# Altium PCB CRD25DA12N-FMC V1.1 (07-2023).PcbDoc (part 1 of 7) (continued)
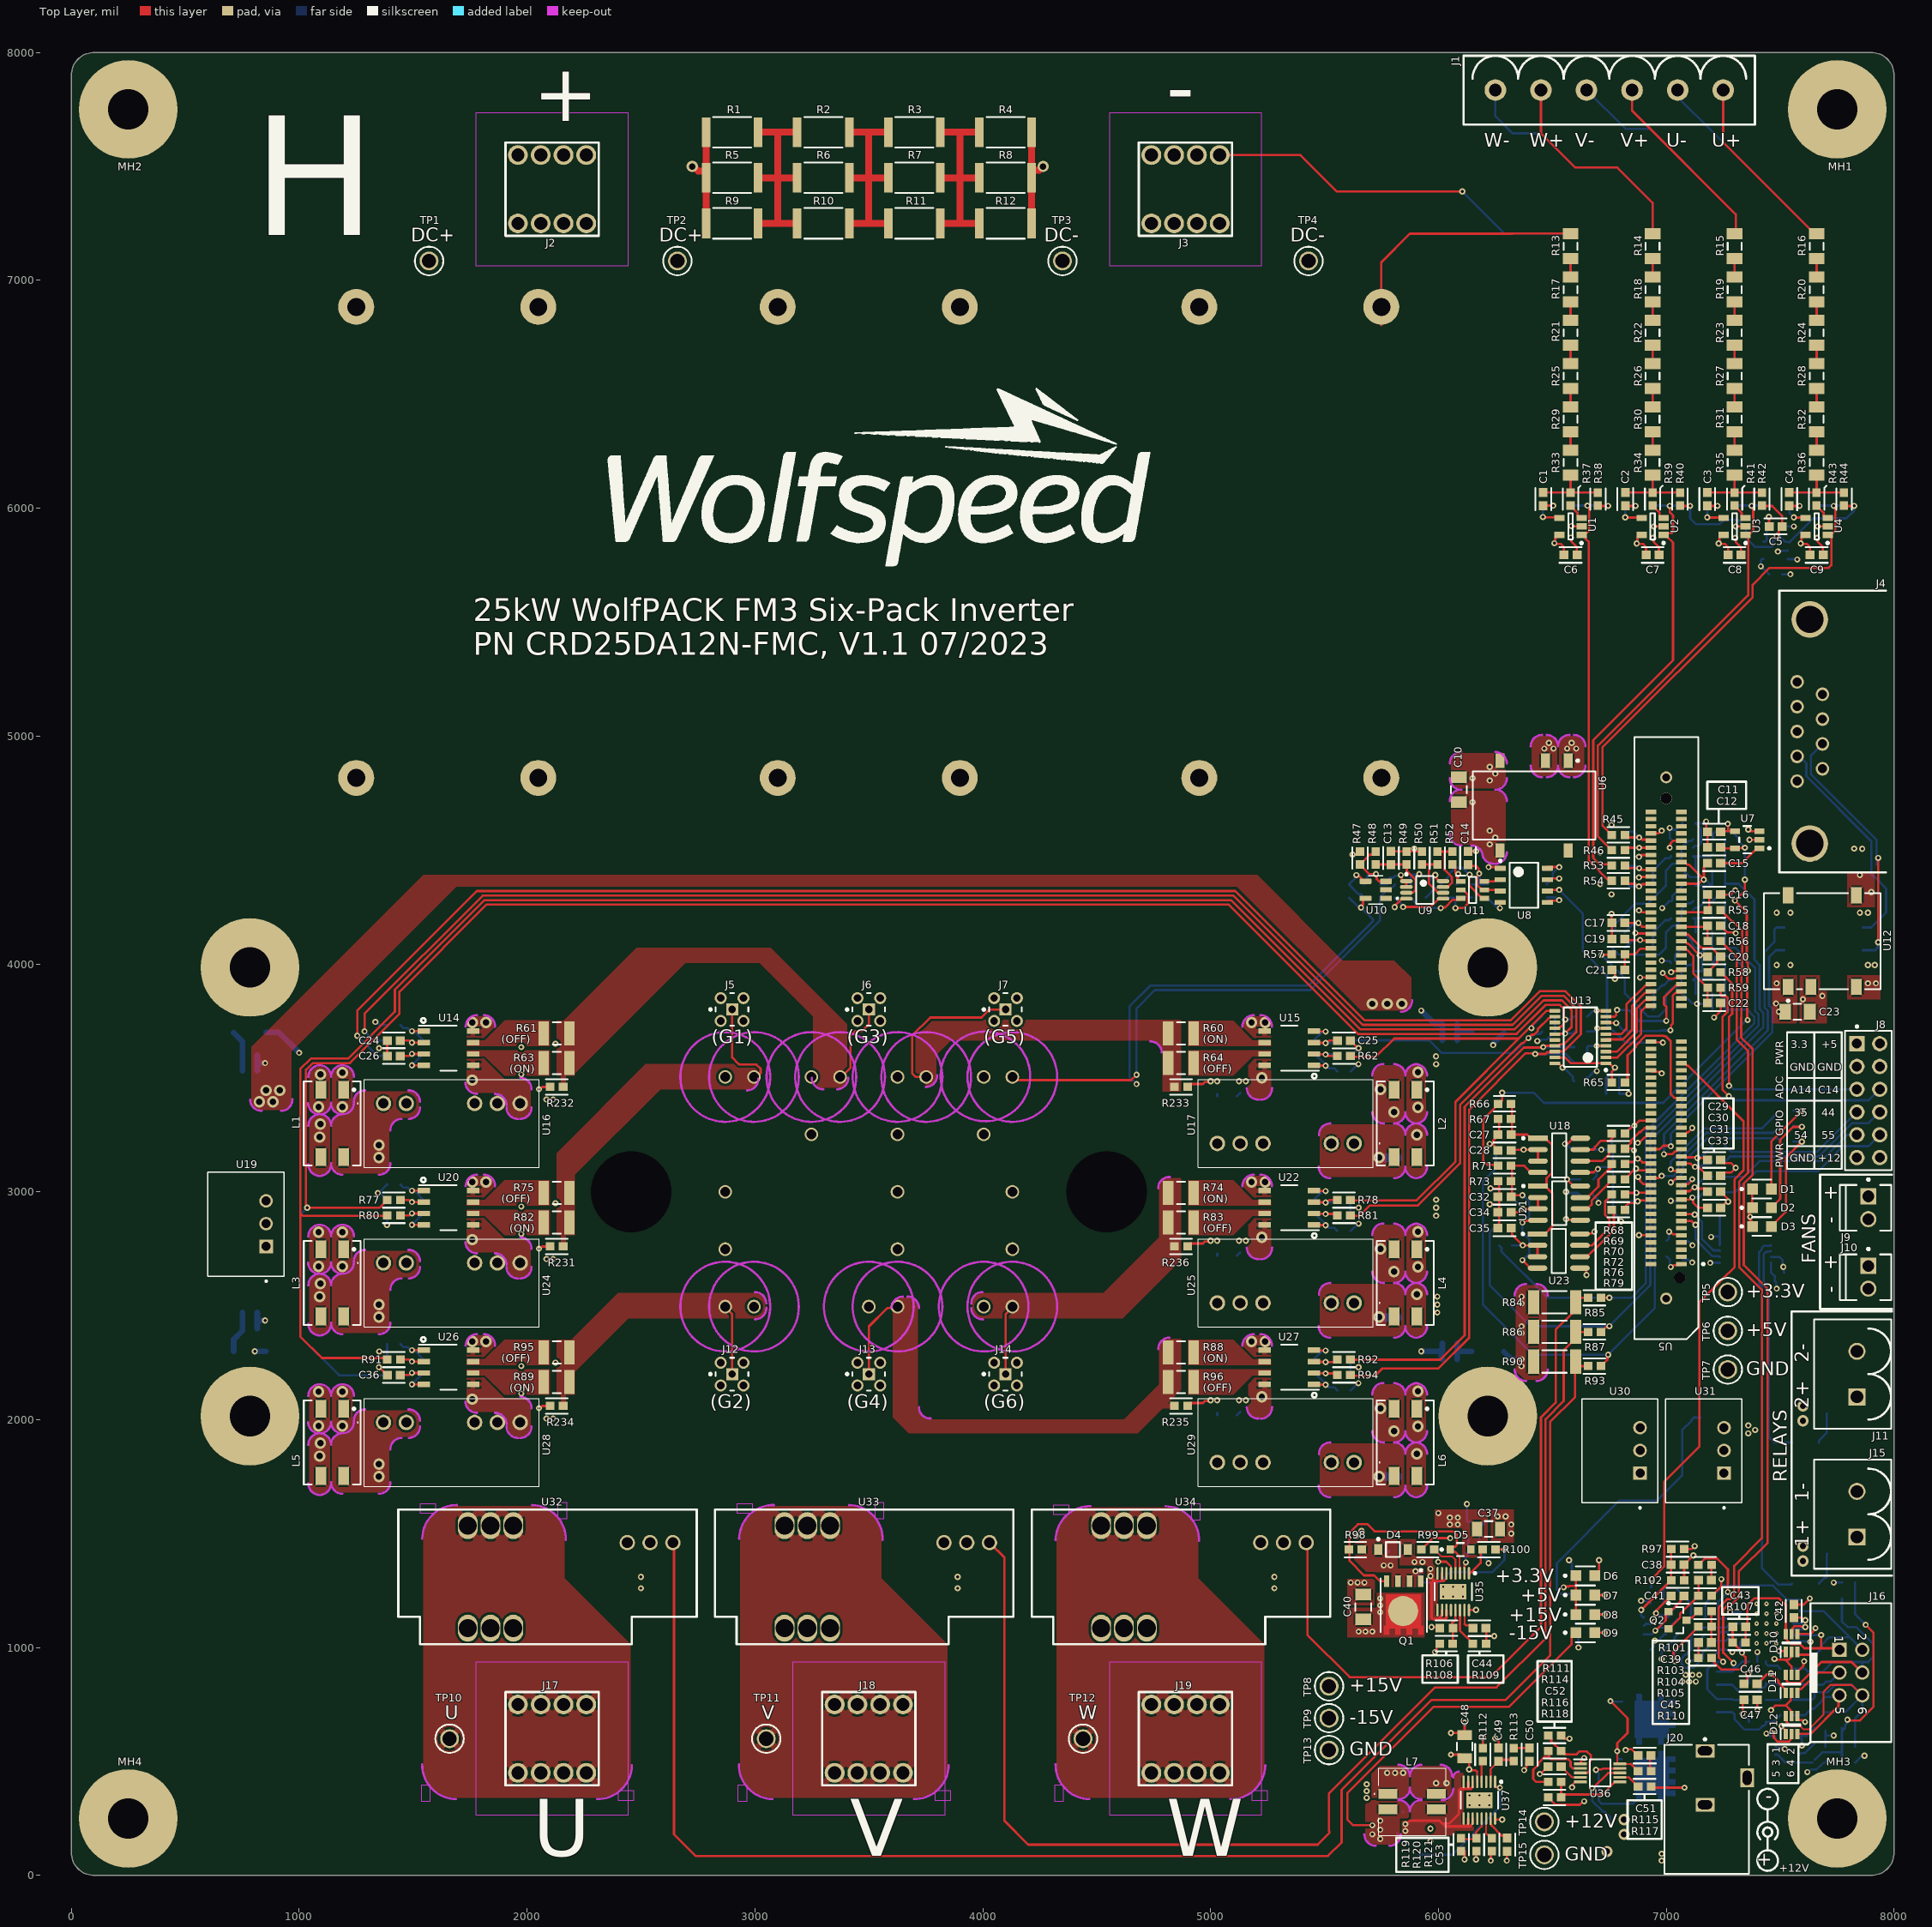
[diagram p0: Top Layer view]
## Components (designator, comment, footprint, x,y, rotation, side; value= is the part's Value field where it differs from the comment) (continued)
C112 "CL31B106KAHSFNE" FP-CL31-IPC_B 740,2960 r270 bottom value=10μF
C113 "CL10C560JB8NNNC" FP-C0603C-CF-IPC_B 6790,2985 r180 bottom value=56pF
C114 "C0603C104K3RACTU" FP-C0603C-CF-IPC_B 6650,2985 r180 bottom value=0.10μF
C115 "CL10C560JB8NNNC" FP-C0603C-CF-IPC_B 1415,2964 r180 bottom value=56pF
C116 "CL10C560JB8NNNC" FP-C0603C-CF-IPC_B 5585,2964 r0 bottom value=56pF
C117 "GRT188R61H225ME13D" FP-C0603C-CF-IPC_B 5455,2937 r90 bottom value=2.2μF
C118 "GRT188R61H225ME13D" FP-C0603C-CF-IPC_B 1545,2935 r270 bottom value=2.2μF
C119 "CL10C560JB8NNNC" FP-C0603C-CF-IPC_B 6790,2915 r180 bottom value=56pF
C120 "CL10C560JB8NNNC" FP-C0603C-CF-IPC_B 1415,2896 r180 bottom value=56pF
C121 "CL10C560JB8NNNC" FP-C0603C-CF-IPC_B 5585,2896 r0 bottom value=56pF
C122 "CL31B106KAHSFNE" FP-CL31-IPC_B 2070,2895 r180 bottom value=10μF
C123 "CL31B106KAHSFNE" FP-CL31-IPC_B 1875,2895 r180 bottom value=10μF
C124 "GRT188R61H225ME13D" FP-C0603C-CF-IPC_B 5585,2828 r0 bottom value=2.2μF
C125 "CL31B106KAHSFNE" FP-CL31-IPC_B 740,2760 r90 bottom value=10μF
C126 "C0603C104K3RACTU" FP-C0603C-CF-IPC_B 7030,2785 r0 bottom value=0.10μF
C127 "CL31B106KAHSFNE" FP-CL31-IPC_B 2070,2795 r180 bottom value=10μF
C128 "CL31B106KAHSFNE" FP-CL31-IPC_B 1875,2795 r180 bottom value=10μF
C129 "C0603C104K3RACTU" FP-C0603C-CF-IPC_B 7030,2716 r0 bottom value=0.10μF
C130 "CL31B106KAHSFNE" FP-CL31-IPC_B 5170,2720 r0 bottom value=10μF
C131 "CL31B106KAHSFNE" FP-CL31-IPC_B 4980,2720 r0 bottom value=10μF
C132 "GRT188R61H225ME13D" FP-C0603C-CF-IPC_B 7490,2625 r0 bottom value=2.2μF
C133 "CL31B106KAHSFNE" FP-CL31-IPC_B 5170,2620 r0 bottom value=10μF
C134 "CL31B106KAHSFNE" FP-CL31-IPC_B 4980,2620 r0 bottom value=10μF
C135 "CL31B106KAHSFNE" FP-CL31-IPC_B 5880,2452.8 r180 bottom value=10μF
C136 "CL31B106KAHSFNE" FP-CL31-IPC_B 1220,2455 r180 bottom value=10μF
C137 "GRT188R61H225ME13D" FP-C0603C-CF-IPC_B 1415,2332 r180 bottom value=2.2μF
C138 "CL10C560JB8NNNC" FP-C0603C-CF-IPC_B 1415,2264 r180 bottom value=56pF
C139 "CL10C560JB8NNNC" FP-C0603C-CF-IPC_B 5585,2264 r0 bottom value=56pF
C140 "GRT188R61H225ME13D" FP-C0603C-CF-IPC_B 5455,2237 r90 bottom value=2.2μF
C141 "GRT188R61H225ME13D" FP-C0603C-CF-IPC_B 1545,2235 r270 bottom value=2.2μF
C142 "CL10C560JB8NNNC" FP-C0603C-CF-IPC_B 5585,2196 r0 bottom value=56pF
C143 "CL31B106KAHSFNE" FP-CL31-IPC_B 2070,2195 r180 bottom value=10μF
C144 "CL31B106KAHSFNE" FP-CL31-IPC_B 1875,2195 r180 bottom value=10μF
C145 "GRT188R61H225ME13D" FP-C0603C-CF-IPC_B 5585,2128 r0 bottom value=2.2μF
C146 "CL31B106KAHSFNE" FP-CL31-IPC_B 2070,2095 r180 bottom value=10μF
C147 "CL31B106KAHSFNE" FP-CL31-IPC_B 1875,2095 r180 bottom value=10μF
C148 "CL31B106KAHSFNE" FP-CL31-IPC_B 7140,1965 r270 bottom value=10μF
C149 "CL31B106KAHSFNE" FP-CL31-IPC_B 6770,1965 r270 bottom value=10μF
C150 "CL31B106KAHSFNE" FP-CL31-IPC_B 5170,2020 r0 bottom value=10μF
C151 "CL31B106KAHSFNE" FP-CL31-IPC_B 4980,2020 r0 bottom value=10μF
C152 "CL31B106KAHSFNE" FP-CL31-IPC_B 5170,1920 r0 bottom value=10μF
C153 "CL31B106KAHSFNE" FP-CL31-IPC_B 4980,1920 r0 bottom value=10μF
C154 "CL31B106KAHSFNE" FP-CL31-IPC_B 7140,1765 r90 bottom value=10μF
C155 "CL31B106KAHSFNE" FP-CL31-IPC_B 6770,1765 r90 bottom value=10μF
C156 "CL31B106KAHSFNE" FP-CL31-IPC_B 5880,1752.8 r180 bottom value=10μF
C157 "CL31B106KAHSFNE" FP-CL31-IPC_B 1220,1755 r180 bottom value=10μF
C158 "C0603C102K5RACAUTO" FP-C0603C-CF-IPC_B 6160,1543 r180 bottom value=1nF
C159 "CL31B475KBHNFNE" FP-CL31-IPC_C 5730,1425 r180 bottom value=4.7μF
C160 "CL10C560JB8NNNC" FP-C0603C-CF-IPC_B 6160,1407 r0 bottom value=56pF
C161 "CL31B475KBHNFNE" FP-CL31-IPC_C 5340,1335 r270 bottom value=4.7μF
C162 "CL31B475KBHNFNE" FP-CL31-IPC_C 5220,1335 r90 bottom value=4.7μF
C163 "CL31B475KBHNFNE" FP-CL31-IPC_C 3950,1335 r270 bottom value=4.7μF
C164 "CL31B475KBHNFNE" FP-CL31-IPC_C 3830,1335 r90 bottom value=4.7μF
C165 "CL31B475KBHNFNE" FP-CL31-IPC_C 2560,1335 r270 bottom value=4.7μF
C166 "CL31B475KBHNFNE" FP-CL31-IPC_C 2440,1335 r90 bottom value=4.7μF
C167 "C0603C104K3RACTU" FP-C0603C-CF-IPC_B 7800,1285 r180 bottom value=0.10μF
C168 "C0603C331JAGAC7867" FP-C0603C-CF-IPC_B 7800,1215 r180 bottom value=330pF
C169 "C0603C472K3RAC7867" FP-C0603C-CF-IPC_B 6960,1194 r180 bottom value=4.7nF
C170 "06035A180JAT2A" FP-C0603C-CF-IPC_B 7200,1126 r180 bottom value=18pF
C171 "C0603C104K3RACTU" FP-C0603C-CF-IPC_B 7200,990 r0 bottom value=0.10μF
C172 "C0603C104K3RACTU" FP-C0603C-CF-IPC_B 6960,990 r0 bottom value=0.10μF
C173 "C0603C470J1GACTU" FP-C0603C-CF-IPC_B 7620,865 r90 bottom value=47pF
C174 "C0603C331JAGAC7867" FP-C0603C-CF-IPC_B 7290,865 r90 bottom value=330pF
C175 "C0603C470J1GACTU" FP-C0603C-CF-IPC_B 7620,745 r90 bottom value=47pF
C176 "C0603C331JAGAC7867" FP-C0603C-CF-IPC_B 7290,745 r90 bottom value=330pF
C177 "C0603C104K3RACTU" FP-C0603C-CF-IPC_B 7680,647 r0 bottom value=0.10μF
C178 "C0603C331JAGAC7867" FP-C0603C-CF-IPC_B 7800,578 r0 bottom value=330pF
C179 "C0603C104K3RACTU" FP-C0603C-CF-IPC_B 7680,578 r0 bottom value=0.10μF
C180 "C0603C104K3RACTU" FP-C0603C-CF-IPC_B 7800,508 r0 bottom value=0.10μF
C181 "C0603C104K3RACTU" FP-C0603C-CF-IPC_B 7680,508 r0 bottom value=0.10μF
C182 "CL21B105KBFNNNE" FP-CL21-IPC_A 5880,285 r180 bottom value=1μF
C183 "CL31B106KAHSFNE" FP-CL31-IPC_B 5855,175 r0 bottom value=10μF
C184 "CL31B106KAHSFNE" FP-CL31-IPC_B 6875,80 r0 bottom value=10μF
D1 "CMD17-21VRD/TR8" FP-LTST-C171GKT-MFG-RED 7420,3012 r0 top value=RED
D2 "LTST-C171KSKT" FP-LTST-C171GKT-MFG-YELLOW 7420,2930 r0 top value=YELLOW
D3 "LTST-C171GKT" FP-LTST-C171GKT-MFG 7420,2848 r0 top value=GREEN
D4 "SMD26PL-TP" ONSC-SOD-123FL-2-498-01_V 5800.63,1430 r0 top value=N/A
D5 "CUS520,H3F" FP-USC-MFG 6097,1430 r0 top value=N/A
D6 "LTST-C171GKT" FP-LTST-C171GKT-MFG 6645,1315 r0 top value=GREEN
D7 "LTST-C171GKT" FP-LTST-C171GKT-MFG 6645,1230 r0 top value=GREEN
D8 "LTST-C171GKT" FP-LTST-C171GKT-MFG 6645,1145 r0 top value=GREEN
D9 "LTST-C171GKT" FP-LTST-C171GKT-MFG 6645,1065 r0 top value=GREEN
D10 "BAS40DW-04-TP" SOT65P222X120-6N 7550,1020 r90 top value=N/A
D11 "BAS40DW-04-TP" SOT65P222X120-6N 7550,840 r90 top value=N/A
D12 "BAS40DW-04-TP" SOT65P222X120-6N 7550,660 r90 top value=N/A
D13 "APTR3216-VFX" FP-APTR3216SECK-MFG 6216.53,3700 r180 bottom value=PURPLE
D14 "APTR3216-VFX" FP-APTR3216SECK-MFG 783.47,3700 r180 bottom value=PURPLE
D15 "APTR3216-VFX" FP-APTR3216SECK-MFG 6216.53,2300 r180 bottom value=PURPLE
D16 "APTR3216-VFX" FP-APTR3216SECK-MFG 783.47,2300 r180 bottom value=PURPLE
D17 "SMD26PL-TP" ONSC-SOD-123FL-2-498-01_V 7935,2190 r90 bottom value=N/A
D18 "SMD26PL-TP" ONSC-SOD-123FL-2-498-01_V 7935,1575 r90 bottom value=N/A
D19 "SMD26PL-TP" ONSC-SOD-123FL-2-498-01_V 5865,385 r0 bottom value=N/A
HS1 "LA 6 150 12" "LA 6 150 12" 3500,3000 r180 bottom locked value=N/A
J1 "1755778" 1755778 6750,7835 r180 top value=N/A
J2 "7460307" 7460307 2110,7400 r0 top value=N/A
J3 "7460307" 7460307 4890,7400 r0 top value=N/A
J4 "L717SDE09PA4CH4RC309" L717SDE09PA4CH4RC309 7630,5020 r90 top value=N/A
J5 "0734151471" FP-73415-1471-MFG 2900,3800 r0 top value=N/A
J6 "0734151471" FP-73415-1471-MFG 3500,3800 r0 top value=N/A
J7 "0734151471" FP-73415-1471-MFG 4100,3800 r0 top value=N/A
J8 "61301221121" FP-61301221121-MFG 7887,3400 r270 top value=N/A
J9 "640456-2" TECO-640456-2_V 7887,2930 r90 top value=N/A
J10 "640456-2" TECO-640456-2_V 7887,2625 r90 top value=N/A
J11 "1755736" 1755736 7837,2200 r90 top value=N/A
J12 "0734151471" FP-73415-1471-MFG 2900,2200 r0 top value=N/A
J13 "0734151471" FP-73415-1471-MFG 3500,2200 r0 top value=N/A
J14 "0734151471" FP-73415-1471-MFG 4100,2200 r0 top value=N/A
J15 "1755736" 1755736 7837,1585 r90 top value=N/A
J16 "61200621621" 61200621621 7810,890 r270 top value=N/A
J17 "7460307" 7460307 2110,600 r0 top value=N/A
J18 "7460307" 7460307 3500,600 r0 top value=N/A
J19 "7460307" 7460307 4890,600 r0 top value=N/A
J20 "PJ-102AH" CUI-PJ-102B_V 7170,428.11 r270 top value=N/A
L1 "744226S" WE-SL2 1145,3300 r270 top value=10μH
L2 "744226S" WE-SL2 5855,3300 r270 top value=10μH
L3 "744226S" WE-SL2 1145,2600 r270 top value=10μH
L4 "744226S" WE-SL2 5855,2600 r270 top value=10μH
L5 "744226S" WE-SL2 1145,1900 r270 top value=10μH
L6 "744226S" WE-SL2 5855,1900 r270 top value=10μH
L7 "MSD7342-682MLC" MSD7342682MLC 5885,323.46 r90 top value=6.8μH
L8 "NRS5040T3R3NMGJ" FP-NR5040-H_4_1-MFG 5930,1490 r180 bottom value=3.3μH
MH1 "MH_M4_P" MH_M4_P 7750,7750 r180 bottom locked value=N/A
MH2 "MH_M4_P" MH_M4_P 250,7750 r180 bottom value=N/A
MH3 "MH_M4_P" MH_M4_P 7750,250 r180 bottom locked value=N/A
MH4 "MH_M4_P" MH_M4_P 250,250 r180 bottom value=N/A
Q1 "SI7461DP-T1-E3" FP-S17-0173-SINGLE-MFG 5847.72,1185.58 r270 top value=N/A
Q2 "BC817-16LT3G" ONSC-SOT-23-3-318-08_V 7050,1120 r0 top value=N/A
Q3 "CCB021M12FM3" FM3_SIX-PACK_3PHASE_CRW 3500,3000 r0 bottom value=N/A
Q4 "MJD44H11T4G" ONSC-DPAK-3-369C-01_V 7615,2199.76 r90 bottom value=N/A
Q5 "MJD44H11T4G" ONSC-DPAK-3-369C-01_V 7615,1585 r90 bottom value=N/A
Q6 "DMT12H007LPS-13" FP-PowerDI5060-8-MFG 6910,685 r90 bottom value=N/A
Q7 "DMT12H007LPS-13" FP-PowerDI5060-8-MFG 6910,435 r90 bottom value=N/A
R1 "CRGP2512F220K" FP-CRGP2512-IPC_C 2900,7650 r180 top value=220kΩ
R2 "CRGP2512F220K" FP-CRGP2512-IPC_C 3300,7650 r180 top value=220kΩ
R3 "CRGP2512F220K" FP-CRGP2512-IPC_C 3700,7650 r180 top value=220kΩ
R4 "CRGP2512F220K" FP-CRGP2512-IPC_C 4100,7650 r180 top value=220kΩ
R5 "CRGP2512F220K" FP-CRGP2512-IPC_C 2900,7450 r180 top value=220kΩ
R6 "CRGP2512F220K" FP-CRGP2512-IPC_C 3300,7450 r180 top value=220kΩ
R7 "CRGP2512F220K" FP-CRGP2512-IPC_C 3700,7450 r180 top value=220kΩ
R8 "CRGP2512F220K" FP-CRGP2512-IPC_C 4100,7450 r180 top value=220kΩ
R9 "CRGP2512F220K" FP-CRGP2512-IPC_C 2900,7250 r180 top value=220kΩ
R10 "CRGP2512F220K" FP-CRGP2512-IPC_C 3300,7250 r180 top value=220kΩ
R11 "CRGP2512F220K" FP-CRGP2512-IPC_C 3700,7250 r180 top value=220kΩ
R12 "CRGP2512F220K" FP-CRGP2512-IPC_C 4100,7250 r180 top value=220kΩ
R13 "TNPW1206249KBEEA" RESC3216X65X50NL15T25 6580,7150 r270 top value=249kΩ
R14 "TNPW1206249KBEEA" RESC3216X65X50NL15T25 6940,7150 r270 top value=249kΩ
R15 "TNPW1206249KBEEA" RESC3216X65X50NL15T25 7300,7150 r270 top value=249kΩ
R16 "TNPW1206249KBEEA" RESC3216X65X50NL15T25 7660,7150 r270 top value=249kΩ
R17 "TNPW1206249KBEEA" RESC3216X65X50NL15T25 6580,6960 r270 top value=249kΩ
R18 "TNPW1206249KBEEA" RESC3216X65X50NL15T25 6940,6960 r270 top value=249kΩ
R19 "TNPW1206249KBEEA" RESC3216X65X50NL15T25 7300,6960 r270 top value=249kΩ
R20 "TNPW1206249KBEEA" RESC3216X65X50NL15T25 7660,6960 r270 top value=249kΩ
R21 "TNPW1206249KBEEA" RESC3216X65X50NL15T25 6580,6770 r270 top value=249kΩ
R22 "TNPW1206249KBEEA" RESC3216X65X50NL15T25 6940,6770 r270 top value=249kΩ
R23 "TNPW1206249KBEEA" RESC3216X65X50NL15T25 7300,6770 r270 top value=249kΩ
R24 "TNPW1206249KBEEA" RESC3216X65X50NL15T25 7660,6770 r270 top value=249kΩ
R25 "TNPW1206249KBEEA" RESC3216X65X50NL15T25 6580,6580 r270 top value=249kΩ
R26 "TNPW1206249KBEEA" RESC3216X65X50NL15T25 6940,6580 r270 top value=249kΩ
R27 "TNPW1206249KBEEA" RESC3216X65X50NL15T25 7300,6580 r270 top value=249kΩ
R28 "TNPW1206249KBEEA" RESC3216X65X50NL15T25 7660,6580 r270 top value=249kΩ
R29 "TNPW1206249KBEEA" RESC3216X65X50NL15T25 6580,6390 r270 top value=249kΩ
R30 "TNPW1206249KBEEA" RESC3216X65X50NL15T25 6940,6390 r270 top value=249kΩ
R31 "TNPW1206249KBEEA" RESC3216X65X50NL15T25 7300,6390 r270 top value=249kΩ
R32 "TNPW1206249KBEEA" RESC3216X65X50NL15T25 7660,6390 r270 top value=249kΩ
R33 "TNPW1206249KBEEA" RESC3216X65X50NL15T25 6580,6200 r270 top value=249kΩ
R34 "TNPW1206249KBEEA" RESC3216X65X50NL15T25 6940,6200 r270 top value=249kΩ
R35 "TNPW1206249KBEEA" RESC3216X65X50NL15T25 7300,6200 r270 top value=249kΩ
R36 "TNPW1206249KBEEA" RESC3216X65X50NL15T25 7660,6200 r270 top value=249kΩ
R37 "RC0603FR-074K99L" FP-MCR03-IPC_B 6580,6040 r270 top value=4.99kΩ
R38 "ERJ-PB3B3741V" FP-MCR03-IPC_B 6700,6040 r90 top value=3.74kΩ
R39 "RC0603FR-074K99L" FP-MCR03-IPC_B 6940,6040 r270 top value=4.99kΩ
R40 "ERJ-PB3B1801V" FP-MCR03-IPC_B 7060,6040 r270 top value=1.8kΩ
R41 "RC0603FR-074K99L" FP-MCR03-IPC_B 7300,6040 r270 top value=4.99kΩ
R42 "ERJ-PB3B1801V" FP-MCR03-IPC_B 7420,6040 r270 top value=1.8kΩ
R43 "RC0603FR-074K99L" FP-MCR03-IPC_B 7660,6040 r270 top value=4.99kΩ
R44 "ERJ-PB3B1801V" FP-MCR03-IPC_B 7780,6040 r270 top value=1.8kΩ
R45 "ERJ-3EKF49R9V" FP-MCR03-IPC_B 6790,4566 r0 top value=49.9Ω
R46 "ERJ-3EKF49R9V" FP-MCR03-IPC_B 6790,4499 r0 top value=49.9Ω
R47 "ERA3AEB132V" FP-MCR03-IPC_B 5656,4465 r90 top value=1.3kΩ
R48 "RC1608F1542CS" FP-MCR03-IPC_B 5724,4465 r90 top value=15.4kΩ
R49 "CRCW06034K70FKTA" FP-MCR03-IPC_B 5860,4465 r270 top value=4.7kΩ
R50 "ERJ3EKF1002V" FP-MCR03-IPC_B 5928,4465 r270 top value=10kΩ
R51 "CRCW06030000Z0EB" FP-MCR03-IPC_B 5995,4465 r90 top value=0Ω
R52 "ERJ3EKF1002V" FP-MCR03-IPC_B 6062,4465 r90 top value=10kΩ
R53 "ERJ-3EKF49R9V" FP-MCR03-IPC_B 6790,4432 r0 top value=49.9Ω
R54 "ERJ-3EKF49R9V" FP-MCR03-IPC_B 6790,4365 r0 top value=49.9Ω
R55 "RT0603DRE072KL" FP-MCR03-IPC_B 7210,4236 r180 top value=2kΩ
R56 "RT0603DRE072KL" FP-MCR03-IPC_B 7210,4100 r180 top value=2kΩ
R57 "ERJ-3EKF49R9V" FP-MCR03-IPC_B 6790,4042 r0 top value=49.9Ω
R58 "CRCW06030000Z0EB" FP-MCR03-IPC_B 7210,3964 r180 top value=0Ω
R59 "CRCW06030000Z0EB" FP-MCR03-IPC_B 7210,3896 r180 top value=0Ω
R60 "RCWE1210R910FKEA" RESC3125X70X40NL20T20 4870,3695 r180 top value=0.91Ω
R61 "CRCW12100000Z0EAHP" RESC3125X70X40NL20T20 2130,3695 r0 top value=0Ω
R62 "ERJ-3EKF49R9V" FP-MCR03-IPC_B 5585,3596 r180 top value=49.9Ω
R63 "RCWE1210R910FKEA" RESC3125X70X40NL20T20 2130,3565 r0 top value=0.91Ω
R64 "CRCW12100000Z0EAHP" RESC3125X70X40NL20T20 4870,3565 r180 top value=0Ω
R65 "ERJ-3EKF49R9V" FP-MCR03-IPC_B 6790,3480 r180 top value=49.9Ω
R66 "ERA3AEB132V" FP-MCR03-IPC_B 6290,3386 r180 top value=1.3kΩ
R67 "ERJ3EKF1002V" FP-MCR03-IPC_B 6290,3319 r0 top value=10kΩ
R68 "ERJ-3EKF49R9V" FP-MCR03-IPC_B 6790,3256 r0 top value=49.9Ω
R69 "ERJ-3EKF49R9V" FP-MCR03-IPC_B 6790,3189 r0 top value=49.9Ω
R70 "ERJ-3EKF49R9V" FP-MCR03-IPC_B 6790,3122 r0 top value=49.9Ω
R71 "ERJ3EKF1002V" FP-MCR03-IPC_B 6290,3114 r180 top value=10kΩ
R72 "ERJ-3EKF49R9V" FP-MCR03-IPC_B 6790,3055 r0 top value=49.9Ω
R73 "ERA3AEB132V" FP-MCR03-IPC_B 6290,3046 r0 top value=1.3kΩ
R74 "RCWE1210R910FKEA" RESC3125X70X40NL20T20 4870,2995 r180 top value=0.91Ω
R75 "CRCW12100000Z0EAHP" RESC3125X70X40NL20T20 2130,2995 r0 top value=0Ω
R76 "ERJ-3EKF49R9V" FP-MCR03-IPC_B 6790,2988 r0 top value=49.9Ω
R77 "ERJ-3EKF49R9V" FP-MCR03-IPC_B 1415,2964 r0 top value=49.9Ω
R78 "ERJ-3EKF49R9V" FP-MCR03-IPC_B 5585,2964 r180 top value=49.9Ω
R79 "ERJ-3EKF49R9V" FP-MCR03-IPC_B 6790,2921 r0 top value=49.9Ω
R80 "ERJ-3EKF49R9V" FP-MCR03-IPC_B 1415,2896 r0 top value=49.9Ω
R81 "ERJ-3EKF49R9V" FP-MCR03-IPC_B 5585,2896 r180 top value=49.9Ω
R82 "RCWE1210R910FKEA" RESC3125X70X40NL20T20 2130,2865 r0 top value=0.91Ω
R83 "CRCW12100000Z0EAHP" RESC3125X70X40NL20T20 4870,2865 r180 top value=0Ω
R84 "RC2010FK-07100RL" RESC2010(5025)_N 6510,2515 r0 top value=100Ω
R85 "RT0603DRE072KL" FP-MCR03-IPC_B 6685,2535 r0 top value=2kΩ
R86 "RC2010FK-07100RL" RESC2010(5025)_N 6510,2385 r0 top value=100Ω
R87 "RT0603DRE072KL" FP-MCR03-IPC_B 6685,2385 r0 top value=2kΩ
R88 "RCWE1210R910FKEA" RESC3125X70X40NL20T20 4870,2295 r180 top value=0.91Ω
R89 "RCWE1210R910FKEA" RESC3125X70X40NL20T20 2130,2165 r0 top value=0.91Ω
R90 "RC2010FK-07100RL" RESC2010(5025)_N 6510,2255 r0 top value=100Ω
R91 "ERJ-3EKF49R9V" FP-MCR03-IPC_B 1415,2264 r0 top value=49.9Ω
R92 "ERJ-3EKF49R9V" FP-MCR03-IPC_B 5585,2264 r180 top value=49.9Ω
R93 "RT0603DRE072KL" FP-MCR03-IPC_B 6685,2235 r0 top value=2kΩ
R94 "ERJ-3EKF49R9V" FP-MCR03-IPC_B 5585,2196 r180 top value=49.9Ω
R95 "CRCW12100000Z0EAHP" RESC3125X70X40NL20T20 2130,2295 r0 top value=0Ω
R96 "CRCW12100000Z0EAHP" RESC3125X70X40NL20T20 4870,2165 r180 top value=0Ω
R97 "ERJ3EKF1002V" FP-MCR03-IPC_B 7050,1432 r0 top value=10kΩ
R98 "RC0603FR-07100KL" FP-MCR03-IPC_B 5635,1430 r0 top value=100kΩ
R99 "RC0603FR-07100KL" FP-MCR03-IPC_B 5953.62,1430 r180 top value=100kΩ
R100 "ERJ-3EKF1653V" FP-MCR03-IPC_B 6222,1430 r0 top value=165kΩ
R101 "RC0603FR-07120KL" FP-MCR03-IPC_B 7170,1363 r180 top value=120kΩ
R102 "ERJ3EKF1002V" FP-MCR03-IPC_B 7050,1295 r180 top value=10kΩ
R103 "ERJ3EKF1002V" FP-MCR03-IPC_B 7170,1227 r180 top value=10kΩ
R104 "RC0603JR-0720RL" FP-MCR03-IPC_B 7170,1159 r0 top value=20Ω
R105 "ERJ3EKF1002V" FP-MCR03-IPC_B 7170,1091 r180 top value=10kΩ
R106 "ERJ3EKF1002V" FP-MCR03-IPC_B 6035,1085 r0 top value=10kΩ
R107 "RC0603FR-07470KL" FP-MCR03-IPC_B 7320,1022 r0 top value=470kΩ
R108 "RC0603FR-0756KL" FP-MCR03-IPC_B 6034.41,1017 r180 top value=56kΩ
R109 "RMCF0603FT45K3" FP-MCR03-IPC_B 6180,1017 r180 top value=45.3kΩ
R110 "RC0603FR-07120KL" FP-MCR03-IPC_B 7170,954 r0 top value=120kΩ
R111 "ERJ-3EKF2003V" FP-MCR03-IPC_B 6510,614 r180 top value=200kΩ
R112 "RC0603FR-07100KL" FP-MCR03-IPC_B 6195,530 r90 top value=100kΩ
R113 "ERJ3EKF1002V" FP-MCR03-IPC_B 6331,530 r270 top value=10kΩ
R114 "RC0603FR-07100KL" FP-MCR03-IPC_B 6510,546 r180 top value=100kΩ
R115 "ERJ-3EKF2202V" FP-MCR03-IPC_B 6905,458 r180 top value=22kΩ
R116 "RC0603JR-072M7L" FP-MCR03-IPC_B 6510,410 r0 top value=2.7MΩ
R117 "RC0603FR-07100KL" FP-MCR03-IPC_B 6905,390 r0 top value=100kΩ
R118 "RC0603JR-072M7L" FP-MCR03-IPC_B 6510,342 r180 top value=2.7MΩ
R119 "RC0603FR-0756KL" FP-MCR03-IPC_B 6100,135 r270 top value=56kΩ
R120 "ERJ3EKF1002V" FP-MCR03-IPC_B 6167,135 r90 top value=10kΩ
R121 "RMCF0603FT45K3" FP-MCR03-IPC_B 6234,135 r90 top value=45.3kΩ
R122 "TNPW1206249KBEEA" RESC3216X65X50NL15T25 7660,7150 r270 bottom value=249kΩ
R123 "TNPW1206249KBEEA" RESC3216X65X50NL15T25 7300,7150 r270 bottom value=249kΩ
R124 "TNPW1206249KBEEA" RESC3216X65X50NL15T25 6940,7150 r270 bottom value=249kΩ
R125 "TNPW1206249KBEEA" RESC3216X65X50NL15T25 6580,7150 r270 bottom value=249kΩ
R126 "TNPW1206249KBEEA" RESC3216X65X50NL15T25 7660,6960 r270 bottom value=249kΩ
R127 "TNPW1206249KBEEA" RESC3216X65X50NL15T25 7300,6960 r270 bottom value=249kΩ
R128 "TNPW1206249KBEEA" RESC3216X65X50NL15T25 6940,6960 r270 bottom value=249kΩ
R129 "TNPW1206249KBEEA" RESC3216X65X50NL15T25 6580,6960 r270 bottom value=249kΩ
R130 "TNPW1206249KBEEA" RESC3216X65X50NL15T25 7660,6770 r270 bottom value=249kΩ
R131 "TNPW1206249KBEEA" RESC3216X65X50NL15T25 7300,6770 r270 bottom value=249kΩ
R132 "TNPW1206249KBEEA" RESC3216X65X50NL15T25 6940,6770 r270 bottom value=249kΩ
R133 "TNPW1206249KBEEA" RESC3216X65X50NL15T25 6580,6770 r270 bottom value=249kΩ
R134 "TNPW1206249KBEEA" RESC3216X65X50NL15T25 7660,6580 r270 bottom value=249kΩ
R135 "TNPW1206249KBEEA" RESC3216X65X50NL15T25 7300,6580 r270 bottom value=249kΩ
R136 "TNPW1206249KBEEA" RESC3216X65X50NL15T25 6940,6580 r270 bottom value=249kΩ
R137 "TNPW1206249KBEEA" RESC3216X65X50NL15T25 6580,6580 r270 bottom value=249kΩ
R138 "TNPW1206249KBEEA" RESC3216X65X50NL15T25 7660,6390 r270 bottom value=249kΩ
R139 "TNPW1206249KBEEA" RESC3216X65X50NL15T25 7300,6390 r270 bottom value=249kΩ
R140 "TNPW1206249KBEEA" RESC3216X65X50NL15T25 6940,6390 r270 bottom value=249kΩ
R141 "TNPW1206249KBEEA" RESC3216X65X50NL15T25 6580,6390 r270 bottom value=249kΩ
R142 "TNPW1206249KBEEA" RESC3216X65X50NL15T25 7660,6200 r270 bottom value=249kΩ
R143 "TNPW1206249KBEEA" RESC3216X65X50NL15T25 7300,6200 r270 bottom value=249kΩ
R144 "TNPW1206249KBEEA" RESC3216X65X50NL15T25 6940,6200 r270 bottom value=249kΩ
R145 "TNPW1206249KBEEA" RESC3216X65X50NL15T25 6580,6200 r270 bottom value=249kΩ
R146 "ERJ-PB3B1801V" FP-MCR03-IPC_B 7780,6040 r90 bottom value=1.8kΩ
R147 "RC0603FR-074K99L" FP-MCR03-IPC_B 7540,6040 r270 bottom value=4.99kΩ
R148 "ERJ-PB3B1801V" FP-MCR03-IPC_B 7420,6040 r90 bottom value=1.8kΩ
R149 "RC0603FR-074K99L" FP-MCR03-IPC_B 7180,6040 r270 bottom value=4.99kΩ
R150 "ERJ-PB3B1801V" FP-MCR03-IPC_B 7060,6040 r90 bottom value=1.8kΩ
R151 "RC0603FR-074K99L" FP-MCR03-IPC_B 6820,6040 r270 bottom value=4.99kΩ
R152 "ERJ-PB3B3741V" FP-MCR03-IPC_B 6700,6040 r270 bottom value=3.74kΩ
R153 "RC0603FR-074K99L" FP-MCR03-IPC_B 6460,6040 r270 bottom value=4.99kΩ
R154 "RMCF0603FT1K33" FP-MCR03-IPC_B 7230,4548 r180 bottom value=1.33kΩ
R155 "RMCF0603FT7K15" FP-MCR03-IPC_B 7230,4480 r180 bottom value=7.15kΩ
R156 "RC0603JR-07120RL" FP-MCR03-IPC_B 7930,4395 r90 bottom value=120Ω
R157 "ERJ3EKF1002V" FP-MCR03-IPC_B 6012,4320 r90 bottom value=10kΩ
R158 "ERJ-3EKF9762V" FP-MCR03-IPC_B 5945,4320 r90 bottom value=97.6kΩ
R159 "RMCF0603FT249K" FP-MCR03-IPC_B 5878,4320 r270 bottom value=249kΩ
R160 "ERJ3EKF1002V" FP-MCR03-IPC_B 5810,4320 r90 bottom value=10kΩ
R161 "RC0603FR-13330RL" FP-MCR03-IPC_B 5743,4320 r90 bottom value=330Ω
R162 "CRCW060320K0FKTA" FP-MCR03-IPC_B 5675,4320 r90 bottom value=20kΩ
R163 "ERJ3EKF1002V" FP-MCR03-IPC_B 5608,4320 r90 bottom value=10kΩ
R164 "ERA3AEB4021V" FP-MCR03-IPC_B 7230,4343 r0 bottom value=4.02kΩ
R165 "RC0603FR-077K87L" FP-MCR03-IPC_B 6970,4343 r0 bottom value=7.87kΩ
R166 "RMCF0603FT1K33" FP-MCR03-IPC_B 7230,4275 r180 bottom value=1.33kΩ
R167 "RMCF0603FT7K15" FP-MCR03-IPC_B 7230,4207 r180 bottom value=7.15kΩ
R168 "ERJ-3EKF49R9V" FP-MCR03-IPC_B 6790,4139 r0 bottom value=49.9Ω
R169 "ERA3AEB4021V" FP-MCR03-IPC_B 7230,4070 r0 bottom value=4.02kΩ
R170 "RC0603FR-077K87L" FP-MCR03-IPC_B 6970,4070 r0 bottom value=7.87kΩ
R171 "ERJ-3EKF49R9V" FP-MCR03-IPC_B 6790,4070 r0 bottom value=49.9Ω
R172 "RMCF0603FT1K33" FP-MCR03-IPC_B 7230,4003 r180 bottom value=1.33kΩ
R173 "RMCF0603FT7K15" FP-MCR03-IPC_B 7230,3936 r180 bottom value=7.15kΩ
R174 "ERA3AEB4021V" FP-MCR03-IPC_B 7230,3800 r0 bottom value=4.02kΩ
R175 "RC0603FR-077K87L" FP-MCR03-IPC_B 6970,3800 r0 bottom value=7.87kΩ
R176 "RC0603FR-07100KL" FP-MCR03-IPC_B 6625,3770 r180 bottom value=100kΩ
R177 "RC0603FR-07100KL" FP-MCR03-IPC_B 6485,3770 r180 bottom value=100kΩ
R178 "CRCW08051K00JNTA" RESC2013X50X30LL20T20 6050,3735 r180 bottom value=1kΩ
R179 "RC0603FR-07100KL" FP-MCR03-IPC_B 6625,3703 r180 bottom value=100kΩ
R180 "RC0603FR-07100KL" FP-MCR03-IPC_B 6485,3703 r180 bottom value=100kΩ
R181 "ERJ-3EKF49R9V" FP-MCR03-IPC_B 1415,3664 r0 bottom value=49.9Ω
R182 "ERJ-3EKF49R9V" FP-MCR03-IPC_B 5585,3664 r180 bottom value=49.9Ω
R183 "CRCW08051K00JNTA" RESC2013X50X30LL20T20 6050,3665 r180 bottom value=1kΩ
R184 "RC0603FR-07100KL" FP-MCR03-IPC_B 6625,3636 r180 bottom value=100kΩ
R185 "CRCW08051K00JNTA" RESC2013X50X30LL20T20 783.47,3600 r0 bottom value=1kΩ
R186 "ERJ-3EKF49R9V" FP-MCR03-IPC_B 1415,3596 r0 bottom value=49.9Ω
R187 "RC0603FR-07100KL" FP-MCR03-IPC_B 6625,3568 r180 bottom value=100kΩ
R188 "CRCW08051K00JNTA" RESC2013X50X30LL20T20 783.47,3530 r0 bottom value=1kΩ
R189 "ERJ3EKF1002V" FP-MCR03-IPC_B 6765,3430 r180 bottom value=10kΩ
R190 "RC0603FR-07680RL" FP-MCR03-IPC_B 7530,3358 r180 bottom value=680Ω
R191 "RC0603FR-07680RL" FP-MCR03-IPC_B 7530,3290 r180 bottom value=680Ω
R192 "RC0603FR-07680RL" FP-MCR03-IPC_B 7530,3222 r180 bottom value=680Ω
R193 "CRCW06030000Z0EB" FP-MCR03-IPC_B 7230,3200 r180 bottom value=0Ω
R194 "ERJ-3EKF49R9V" FP-MCR03-IPC_B 6295,3185 r0 bottom value=49.9Ω
R195 "CRCW06030000Z0EB" FP-MCR03-IPC_B 7230,3133 r180 bottom value=0Ω
R196 "CRCW06030000Z0EB" FP-MCR03-IPC_B 7230,3066 r180 bottom value=0Ω
R197 "CRCW06030000Z0EB" FP-MCR03-IPC_B 7230,2998 r180 bottom value=0Ω
R198 "ERJ-3EKF49R9V" FP-MCR03-IPC_B 6295,2975 r0 bottom value=49.9Ω
R199 "ERJ-3EKF49R9V" FP-MCR03-IPC_B 6295,2765 r0 bottom value=49.9Ω
R200 "CRCW08051K00JNTA" RESC2013X50X30LL20T20 783.47,2470 r0 bottom value=1kΩ
R201 "CRCW08051K00JNTA" RESC2013X50X30LL20T20 783.47,2400 r0 bottom value=1kΩ
R202 "CRCW08051K00JNTA" RESC2013X50X30LL20T20 6050,2335 r180 bottom value=1kΩ
R203 "CRCW08051K00JNTA" RESC2013X50X30LL20T20 6050,2265 r180 bottom value=1kΩ
R204 "ERJ-3EKF49R9V" FP-MCR03-IPC_B 1415,2196 r0 bottom value=49.9Ω
R205 "RC1206FR-07249RL" FP-MCR18-IPC_A 7610.9,1899.76 r0 bottom value=249Ω
R206 "ERJ3EKF1002V" FP-MCR03-IPC_B 6160,1475 r180 bottom value=10kΩ
R207 "RC1206FR-07249RL" FP-MCR18-IPC_A 6645,1323 r0 bottom value=249Ω
R208 "RC1206FR-07249RL" FP-MCR18-IPC_A 7610.9,1280 r0 bottom value=249Ω
R209 "ERJ3EKF3901V" FP-MCR03-IPC_B 6960,1263 r0 bottom value=3.9kΩ
R210 "RC0805FR-07499RL" FP-MCR10-IPC_A 6645,1234 r180 bottom value=499Ω
R211 "RC0603FR-07470KL" FP-MCR03-IPC_B 7200,1194 r180 bottom value=470kΩ
R212 "ERA-3AED153V" FP-MCR03-IPC_B 7080,1194 r0 bottom value=15kΩ
R213 "ERJ-6ENF2431V" FP-MCR10-IPC_A 6645,1145 r180 bottom value=2.43kΩ
R214 "ERJ3EKF1002V" FP-MCR03-IPC_B 7800,1146 r180 bottom value=10kΩ
R215 "ERJ3EKF3901V" FP-MCR03-IPC_B 7080,1126 r180 bottom value=3.9kΩ
R216 "ERJ-6ENF2431V" FP-MCR10-IPC_A 6645,1056 r0 bottom value=2.43kΩ
R217 "ERA-3AED153V" FP-MCR03-IPC_B 7200,1058 r180 bottom value=15kΩ
R218 "ERJ3EKF1002V" FP-MCR03-IPC_B 7080,1058 r0 bottom value=10kΩ
R219 "ERJ3EKF1002V" FP-MCR03-IPC_B 7080,990 r180 bottom value=10kΩ
R220 "ERJ-PB3B1212V" FP-MCR03-IPC_B 7530,907 r180 bottom value=12.1kΩ
R221 "RC0603FR-0747KL" FP-MCR03-IPC_B 7688,865 r270 bottom value=47kΩ
R222 "ERJ3EKF1002V" FP-MCR03-IPC_B 7222,865 r270 bottom value=10kΩ
R223 "ERJ-PB3B1212V" FP-MCR03-IPC_B 7530,839 r180 bottom value=12.1kΩ
R224 "ERJ-PB3B1212V" FP-MCR03-IPC_B 7530,771 r180 bottom value=12.1kΩ
R225 "RC0603FR-0747KL" FP-MCR03-IPC_B 7688,745 r90 bottom value=47kΩ
R226 "ERJ3EKF1002V" FP-MCR03-IPC_B 7222,745 r270 bottom value=10kΩ
R227 "ERJ-PB3B1212V" FP-MCR03-IPC_B 7530,703 r180 bottom value=12.1kΩ
R228 "ERJ3EKF1002V" FP-MCR03-IPC_B 7800,647 r0 bottom value=10kΩ
R229 "PE2512FKE7W0R01L" FP-RL2512-IPC_A 6875,215 r180 bottom value=10mΩ
R230 "CRGCQ0603F180K" FP-CRGCQ0603-IPC_A 5885,80 r180 bottom value=180kΩ
R231 "ERJ3EKF1002V" FP-MCR03-IPC_B 2130,2760 r0 top value=10kΩ
R232 "ERJ3EKF1002V" FP-MCR03-IPC_B 2130,3460 r0 top value=10kΩ
R233 "ERJ3EKF1002V" FP-MCR03-IPC_B 4870,3460 r180 top value=10kΩ
R234 "ERJ3EKF1002V" FP-MCR03-IPC_B 2130,2060 r0 top value=10kΩ
R235 "ERJ3EKF1002V" FP-MCR03-IPC_B 4870,2060 r180 top value=10kΩ
R236 "ERJ3EKF1002V" FP-MCR03-IPC_B 4870,2760 r180 top value=10kΩ
TP1 "5010" KSTN-5010_V 1570,7085 r0 top value=RED
TP2 "5010" KSTN-5010_V 2660,7085 r0 top value=RED
TP3 "5011" KSTN-5011_V 4350,7085 r0 top value=BLACK
TP4 "5011" KSTN-5011_V 5430,7085 r0 top value=BLACK
TP5 "5010" KSTN-5010_V 7270,2560 r0 top value=RED
TP6 "5010" KSTN-5010_V 7270,2390 r0 top value=RED
TP7 "5011" KSTN-5011_V 7270,2220 r0 top value=BLACK
TP8 "5010" KSTN-5010_V 5520,830 r0 top value=RED
TP9 "5010" KSTN-5010_V 5520,690 r0 top value=RED
TP10 "5012" KSTN-5012_V 1660,600 r0 top value=WHITE
TP11 "5012" KSTN-5012_V 3050,600 r0 top value=WHITE
TP12 "5012" KSTN-5012_V 4440,600 r0 top value=WHITE
TP13 "5011" KSTN-5011_V 5520,550 r0 top value=BLACK
TP14 "5010" KSTN-5010_V 6465,235 r0 top value=RED
TP15 "5011" KSTN-5011_V 6465,90 r0 top value=BLACK
U1 "AD8615AUJZ-REEL7" ADI-UJ-5_M 6580,5920 r180 top value=N/A
U2 "AD8615AUJZ-REEL7" ADI-UJ-5_M 6940,5920 r180 top value=N/A
U3 "AD8615AUJZ-REEL7" ADI-UJ-5_M 7300,5920 r180 top value=N/A
U4 "AD8615AUJZ-REEL7" ADI-UJ-5_M 7660,5920 r180 top value=N/A
U5 "TMDSCNCD280039C" TMDSCNCD280039C 7000,3675 r90 top locked value=N/A
U6 "TES 1-0511" TRACO-TES1-5_V 6420,4695 r270 top value=N/A
U7 "REF2033QDDCRQ1" FP-DDC0005A-MFG 7355,4545 r180 top
U8 "ISO722MDR" D0008B_L 6375,4345 r0 top value=N/A
U9 "MCP6292-E/MS" MSOP-MS8_L 5940,4325 r0 top value=N/A
U10 "TS431IYLT" SOT95P280X145-5N 5725,4325 r180 top value=N/A
U11 "LTC6992CS6-2#TRMPBF" SOT95P280X100-6N 6150,4325 r0 top value=N/A
U12 "R1SE-3.305/H2-R" FP-R1SE-0505-R-MFG 7685,4100 r90 top value=N/A
U13 "SN74LV541ATPWR" PW0020A_L 6622.8,3678.98 r180 top value=N/A
U14 "UCC5350SBD" D0008B_HV 1655,3630 r0 top value=N/A
U15 "UCC5350SBD" D0008B_HV 5345,3630 r180 top value=N/A
U16 "MGJ2D121503SC" MGJ2D121509SC 1670,3300 r0 top value=N/A
U17 "MGJ2D121503SC" MGJ2D121509SC 5330,3300 r180 top value=N/A
U18 "TLV3502AID" FP-D0008A-IPC_B 6530,3160 r0 top value=N/A
U19 "R-78E5.0-1.0" CONV_R-78E5.0-1.0 766.42,2860 r90 top value=N/A
U20 "UCC5350SBD" D0008B_HV 1655,2930 r0 top value=N/A
U21 "TLV3502AID" FP-D0008A-IPC_B 6530,2950 r0 top value=N/A
U22 "UCC5350SBD" D0008B_HV 5345,2930 r180 top value=N/A
U23 "TLV3502AID" FP-D0008A-IPC_B 6528.06,2740 r0 top value=N/A
U24 "MGJ2D121503SC" MGJ2D121509SC 1670,2600 r0 top value=N/A
U25 "MGJ2D121503SC" MGJ2D121509SC 5330,2600 r180 top value=N/A
U26 "UCC5350SBD" D0008B_HV 1655,2230 r0 top value=N/A
U27 "UCC5350SBD" D0008B_HV 5345,2230 r180 top value=N/A
U28 "MGJ2D121503SC" MGJ2D121509SC 1670,1900 r0 top value=N/A
U29 "MGJ2D121503SC" MGJ2D121509SC 5330,1900 r180 top value=N/A
U30 "R-78E3.3-1.0" CONV_R-78E3.3-1.0 6796.42,1865 r90 top value=N/A
U31 "R-78E5.0-1.0" CONV_R-78E5.0-1.0 7165,1865 r90 top value=N/A
U32 "LAH 50-P" "LAH 50-P" 2110,1300 r90 top value=N/A
U33 "LAH 50-P" "LAH 50-P" 3500,1300 r90 top value=N/A
U34 "LAH 50-P" "LAH 50-P" 4890,1300 r90 top value=N/A
U35 "LT3581EMSE#PBF" LT-MSE-16-EDP_L 6065,1245 r270 top value=N/A
U36 "LTC4368IMS-2#PBF" SOP50P490X110-10N 6710,450 r0 top value=N/A
U37 "LT3581EMSE#PBF" LT-MSE-16-EDP_L 6180,330 r270 top value=N/A
U38 "REF2033QDDCRQ1" FP-DDC0005A-MFG 7480,5815 r180 bottom
U39 "AD8615AUJZ-REEL7" ADI-UJ-5_M 7070,4510 r180 bottom value=N/A
U40 "AD8615AUJZ-REEL7" ADI-UJ-5_M 7070,4238 r180 bottom value=N/A
U41 "ISO1050DUBR" DUB0008A_M 7700,4110 r0 bottom value=N/A
U42 "AD8615AUJZ-REEL7" ADI-UJ-5_M 7070,3964 r180 bottom value=N/A
U43 "SN74LV541ATPWR" PW0020A_L 7350,2805 r0 bottom value=N/A
U44 "ALM2402FQPWPRQ1" FP-PWP0014H-MFG 7440,1105 r0 bottom value=N/A
U45 "AD8615AUJZ-REEL7" ADI-UJ-5_M 6950,1095 r0 bottom value=N/A
U46 "AD8615AUJZ-REEL7" ADI-UJ-5_M 7400,890 r270 bottom value=N/A
U47 "AD8615AUJZ-REEL7" ADI-UJ-5_M 7400,721.77 r270 bottom value=N/A
U48 "REF2033QDDCRQ1" FP-DDC0005A-MFG 7531.85,567.6 r0 bottom

## Footprints (in the part's own frame and the unit in brackets; to place one, negate y for a bottom-side part, rotate by r counter-clockwise, add the part's x,y. Pads: shape width x height; smd on the part's side, far side on the other; paste and mask are expansions set on the pad)
1755736 [mm] "THD, 2-Leads, Body 12.16x8.6mm, Pitch 5.08mm"
  rect 1.9x1.9 hole 1.4: 1(-2.54,0)
  round 1.9 hole 1.4: 2(2.54,0)
  silkscreen extent -6.08,-3.81 6.08,4.79, body extent -6.08,-3.8 6.16,4.87, height 12
1755778 [mm] "TERM BLOCK HDR 6POS VERT 5.08MM"
  round 2.4 hole 1.4: 1(-12.7,0) 2(-7.62,0) 3(-2.54,0) 4(2.54,0) 5(7.62,0) 6(12.7,0)
  silkscreen extent -16.24,-3.83 16.24,3.84, body extent -16.24,-3.84 16.24,4.76, height 12
7460307 [mm] "8 Pin Screw Terminal, Power Tap M4 Through Hole"
  round 2.21 hole 1.475: 1(-3.81,3.81) 2(-1.27,3.81) 3(1.27,3.81) 4(3.81,3.81) 5(3.81,-3.81) 6(1.27,-3.81) 7(-1.27,-3.81) 8(-3.81,-3.81)
  Top Layer keep-out region: -8.5,-8.5 8.5,-8.5 8.5,8.5 -8.5,8.5
  Bottom Layer keep-out region: -8.5,-8.5 8.5,-8.5 8.5,8.5 -8.5,8.5
  silkscreen extent -5.2,-5.2 5.2,5.2, body extent -4.5,-4.5 4.5,4.5, height 7
61200621621 [mm] "6 pins, straight, gold plating"
  rect 1.6x1.6 hole 1.1: 1(-2.54,-1.27)
  round 1.6 hole 1.1: 2(-2.54,1.27) 3(0,-1.27) 4(0,1.27) 5(2.54,-1.27) 6(2.54,1.27)
  silkscreen extent -7.74,-4.5 7.74,4.5, body extent -7.64,-4.43 7.64,4.75, height 9.13
ADI-UJ-5_M [mm] "SOT23, 5-Leads, Body 2.9x1.6mm, Pitch 0.95mm, IPC Low Density"
  rect 1.15x0.7 smd: 1(-1.225,0.95) 2(-1.225,0) 3(-1.225,-0.95) 4(1.225,-0.95) 5(1.225,0.95)
  silkscreen extent -1.35,-1.45 0.25,1.97, body extent -0.8,-1.45 0.8,1.45, height 1
C4AQQEW5650A3BJ [mm] "CAP FILM 65UF 5% 1.1KVDC RAD"
  round 4 hole 2: 1(-26.25,10.15) 2(-26.25,-10.15) 3(26.25,10.15) 4(26.25,-10.15)
  silkscreen extent -28.75,-22.5 28.75,22.5, body extent -29,-22.71 29.3,22.8, height 65.4
CONV_R-78E3.3-1.0 [mm]
  rect 1.508x1.508 hole 1: 1(-2.54,-2.25)
  round 1.508 hole 1: 2(0,-2.25) 3(2.54,-2.25)
  silkscreen extent -6.5,-4.25 5.75,4.25, body extent -5.8,-4.25 5.8,4.25, height 9.9